# KiCad board mse-50-ce-panel.kicad_pcb (continued)
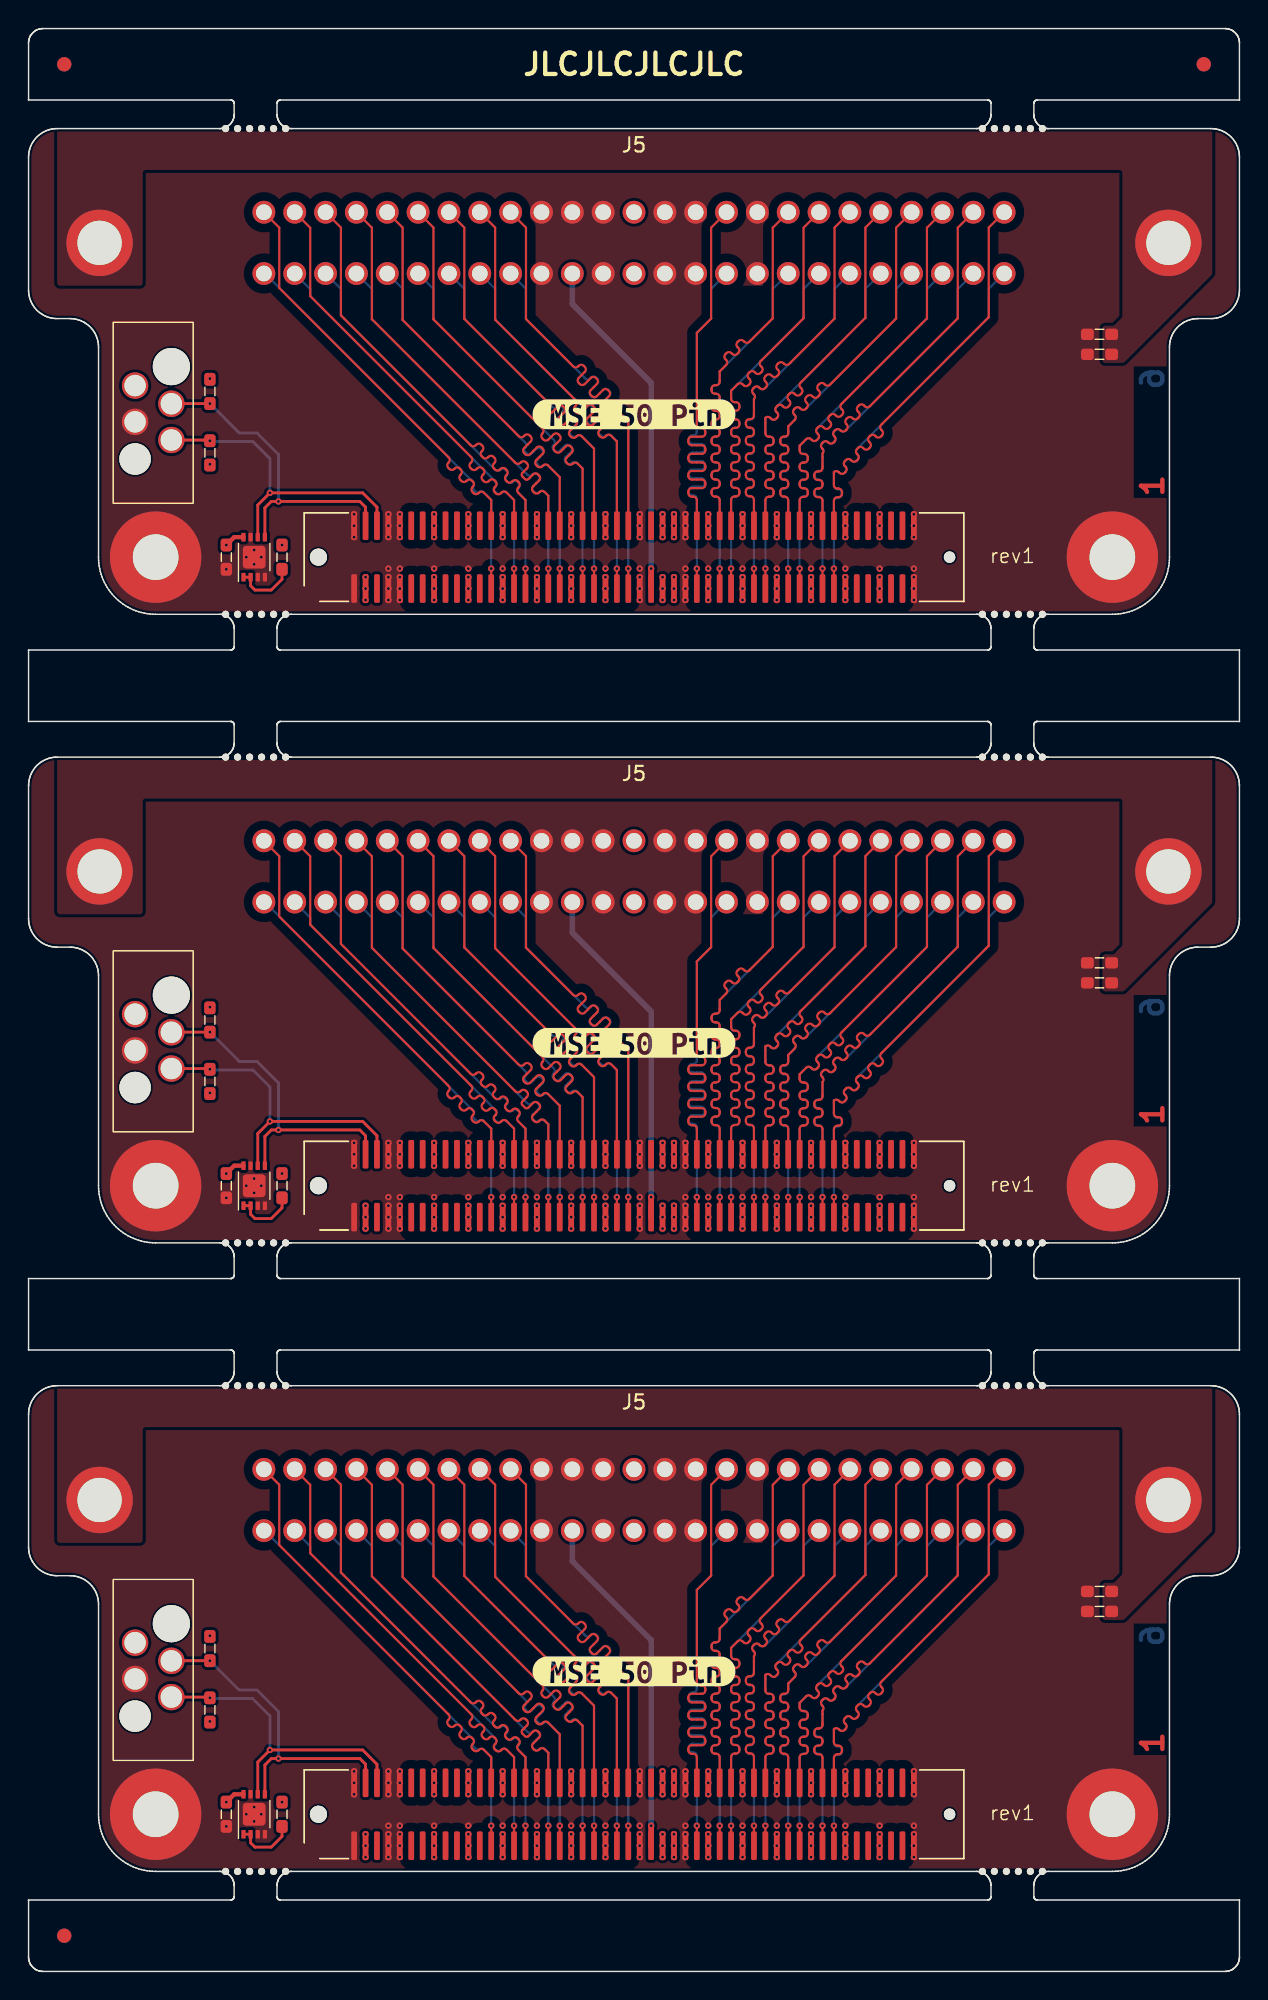
[diagram p0: board, top side]
## Routing (per net, layer and track width the routed paths; a pad name or vN(x,y) marks a point on that pad's centre or on a via; arc(x,y) is an arc through that point)
Board_0-+3V3: length 1.4
  Top w0.3: v1(13.85,99.85) 14.4,100.4 U1#3.8
  vias: v1(12.7,111.5) v1(12.7,105.5) v1(17.75,99.85) v1(23.6,97.6) v1(23.6,96.8) v1(23.6,96)
Board_0-/CON.ACK+: length 29.1
  Top w0.151: J1#2.67 v1(49.2,98.2)
  Bottom w0.151: J5#3.19 54.28,117.77 54.28,115.73 49.2,110.65 49.2,110.1 arc(49.27,109.93) 49.44,109.86 49.54,109.86 arc(49.71,109.79) 49.78,109.62 49.78,109.5 arc(49.71,109.33) 49.54,109.26 49.44,109.26 arc(49.27,109.19) 49.2,109.02 49.2,108.9 arc(49.27,108.73) 49.44,108.66 49.54,108.66 arc(49.71,108.59) 49.78,108.42 49.78,108.3 arc(49.71,108.13) 49.54,108.06 49.44,108.06 arc(49.27,107.99) 49.2,107.82 49.2,107.7 arc(49.27,107.53) 49.44,107.46 49.54,107.46 arc(49.71,107.39) 49.78,107.22 49.78,107.1 arc(49.71,106.93) 49.54,106.86 49.44,106.86 arc(49.27,106.79) 49.2,106.62 49.2,106.5 arc(49.27,106.33) 49.44,106.26 49.54,106.26 arc(49.71,106.19) 49.78,106.02 49.78,105.9 arc(49.71,105.73) 49.54,105.66 49.44,105.66 arc(49.27,105.59) 49.2,105.42 49.2,105.3 arc(49.27,105.13) 49.44,105.06 49.54,105.06 arc(49.71,104.99) 49.78,104.82 49.78,104.7 arc(49.71,104.53) 49.54,104.46 49.44,104.46 arc(49.27,104.39) 49.2,104.22 49.2,104.1 arc(49.27,103.93) 49.44,103.86 49.54,103.86 arc(49.71,103.79) 49.78,103.62 49.78,103.5 arc(49.71,103.33) 49.54,103.26 49.44,103.26 arc(49.27,103.19) 49.2,103.02 v1(49.2,98.2)
Board_0-/CON.ACK-: length 30.5
  Top w0.151: J5#3.44 54.28,122.06 54.28,115.73 51.27,112.72 arc(51.2,112.55) 51.27,112.38 51.34,112.31 arc(51.41,112.14) 51.34,111.97 51.26,111.89 arc(51.09,111.82) 50.92,111.89 50.85,111.96 arc(50.68,112.03) 50.51,111.96 50.42,111.87 arc(50.35,111.7) 50.42,111.53 50.49,111.46 arc(50.56,111.29) 50.49,111.12 50.41,111.04 arc(50.24,110.97) 50.07,111.04 50,111.11 arc(49.83,111.18) 49.66,111.11 49.2,110.65 49.2,110.09 arc(49.27,109.92) 49.44,109.85 49.54,109.85 arc(49.71,109.78) 49.78,109.61 49.78,109.49 arc(49.71,109.32) 49.54,109.25 49.44,109.25 arc(49.27,109.18) 49.2,109.01 49.2,108.89 arc(49.27,108.72) 49.44,108.65 49.54,108.65 arc(49.71,108.58) 49.78,108.41 49.78,108.29 arc(49.71,108.12) 49.54,108.05 49.44,108.05 arc(49.27,107.98) 49.2,107.81 49.2,107.69 arc(49.27,107.52) 49.44,107.45 49.54,107.45 arc(49.71,107.38) 49.78,107.21 49.78,107.09 arc(49.71,106.92) 49.54,106.85 49.44,106.85 arc(49.27,106.78) 49.2,106.61 49.2,106.49 arc(49.27,106.32) 49.44,106.25 49.54,106.25 arc(49.71,106.18) 49.78,106.01 49.78,105.89 arc(49.71,105.72) 49.54,105.65 49.44,105.65 arc(49.27,105.58) 49.2,105.41 49.2,105.29 arc(49.27,105.12) 49.44,105.05 49.54,105.05 arc(49.71,104.98) 49.78,104.81 49.78,104.69 arc(49.71,104.52) 49.54,104.45 49.44,104.45 arc(49.27,104.38) 49.2,104.21 49.2,104.09 arc(49.27,103.92) 49.44,103.85 49.54,103.85 arc(49.71,103.78) 49.78,103.61 49.78,103.49 arc(49.71,103.32) 49.54,103.25 49.44,103.25 arc(49.27,103.18) 49.2,103.01 J1#2.68
Board_0-/CON.ATN+: length 29.1
  Top w0.151: J1#2.61 v1(46.8,98.2)
  Bottom w0.151: J5#3.16 47.8,117.78 47.8,115.7 46.8,114.7 46.8,107.77 arc(46.73,107.6) 46.56,107.53 46.48,107.53 arc(46.31,107.46) 46.24,107.29 46.24,107.17 arc(46.31,107) 46.48,106.93 47.12,106.93 arc(47.29,106.86) 47.36,106.69 47.36,106.57 arc(47.29,106.4) 47.12,106.33 46.48,106.33 arc(46.31,106.26) 46.24,106.09 46.24,105.97 arc(46.31,105.8) 46.48,105.73 47.12,105.73 arc(47.29,105.66) 47.36,105.49 47.36,105.37 arc(47.29,105.2) 47.12,105.13 46.48,105.13 arc(46.31,105.06) 46.24,104.89 46.24,104.77 arc(46.31,104.6) 46.48,104.53 47.12,104.53 arc(47.29,104.46) 47.36,104.29 47.36,104.17 arc(47.29,104) 47.12,103.93 46.48,103.93 arc(46.31,103.86) 46.24,103.69 46.24,103.57 arc(46.31,103.4) 46.48,103.33 46.56,103.33 arc(46.73,103.26) 46.8,103.09 v1(46.8,98.2)
Board_0-/CON.ATN-: length 30.5
  Top w0.151: J1#2.62 46.8,102.99 arc(46.73,103.16) 46.56,103.23 46.44,103.23 arc(46.27,103.3) 46.2,103.47 46.2,103.59 arc(46.27,103.76) 46.44,103.83 47.16,103.83 arc(47.33,103.9) 47.4,104.07 47.4,104.19 arc(47.33,104.36) 47.16,104.43 46.44,104.43 arc(46.27,104.5) 46.2,104.67 46.2,104.79 arc(46.27,104.96) 46.44,105.03 47.16,105.03 arc(47.33,105.1) 47.4,105.27 47.4,105.39 arc(47.33,105.56) 47.16,105.63 46.44,105.63 arc(46.27,105.7) 46.2,105.87 46.2,105.99 arc(46.27,106.16) 46.44,106.23 47.16,106.23 arc(47.33,106.3) 47.4,106.47 47.4,106.59 arc(47.33,106.76) 47.16,106.83 46.44,106.83 arc(46.27,106.9) 46.2,107.07 46.2,107.19 arc(46.27,107.36) 46.44,107.43 47.16,107.43 arc(47.33,107.5) 47.4,107.67 47.4,107.79 arc(47.33,107.96) 47.16,108.03 47.04,108.03 arc(46.87,108.1) 46.8,108.27 46.8,114.7 47.8,115.7 47.8,122.07 J5#3.41
Board_0-/CON.BSY+: length 29.1
  Top w0.151: J1#2.65 v1(48.4,98.2)
  Bottom w0.151: v1(48.4,98.2) 48.4,103 arc(48.33,103.17) 48.16,103.24 48.07,103.24 arc(47.91,103.31) 47.83,103.48 47.83,103.6 arc(47.91,103.77) 48.07,103.84 48.16,103.84 arc(48.33,103.91) 48.4,104.08 48.4,104.2 arc(48.33,104.37) 48.16,104.44 48.07,104.44 arc(47.91,104.51) 47.83,104.68 47.83,104.8 arc(47.91,104.97) 48.07,105.04 48.16,105.04 arc(48.33,105.11) 48.4,105.28 48.4,105.4 arc(48.33,105.57) 48.16,105.64 48.07,105.64 arc(47.91,105.71) 47.83,105.88 47.83,106 arc(47.91,106.17) 48.07,106.24 48.16,106.24 arc(48.33,106.31) 48.4,106.48 48.4,106.6 arc(48.33,106.77) 48.16,106.84 48.07,106.84 arc(47.91,106.91) 47.83,107.08 47.83,107.2 arc(47.91,107.37) 48.07,107.44 48.16,107.44 arc(48.33,107.51) 48.4,107.68 48.4,107.8 arc(48.33,107.97) 48.16,108.04 48.07,108.04 arc(47.91,108.11) 47.83,108.28 47.83,108.4 arc(47.91,108.57) 48.07,108.64 48.16,108.64 arc(48.33,108.71) 48.4,108.88 48.4,109 arc(48.33,109.17) 48.16,109.24 48.07,109.24 arc(47.91,109.31) 47.83,109.48 47.83,109.6 arc(47.91,109.77) 48.07,109.84 48.16,109.84 arc(48.33,109.91) 48.4,110.08 48.4,110.2 arc(48.33,110.37) 48.16,110.44 48.07,110.44 arc(47.91,110.51) 47.83,110.68 47.83,110.8 arc(47.91,110.97) 48.07,111.04 48.16,111.04 arc(48.33,111.11) 48.4,111.28 48.4,112 52.11,115.71 52.11,117.77 J5#3.18
Board_0-/CON.BSY-: length 30.5
  Top w0.151: J5#3.43 52.12,122.06 52.12,115.72 50.47,114.07 arc(50.3,114) 50.13,114.07 50.07,114.14 arc(49.9,114.21) 49.73,114.14 49.64,114.05 arc(49.57,113.88) 49.64,113.71 49.71,113.65 arc(49.78,113.48) 49.71,113.31 49.62,113.23 arc(49.45,113.15) 49.28,113.23 49.22,113.29 arc(49.05,113.36) 48.88,113.29 48.8,113.2 arc(48.73,113.03) 48.8,112.86 48.86,112.8 arc(48.93,112.63) 48.86,112.46 48.4,112 48.4,111.28 arc(48.33,111.11) 48.16,111.04 48.07,111.04 arc(47.9,110.97) 47.83,110.8 47.83,110.68 arc(47.9,110.51) 48.07,110.44 48.16,110.44 arc(48.33,110.37) 48.4,110.2 48.4,110.08 arc(48.33,109.91) 48.16,109.84 48.07,109.84 arc(47.9,109.77) 47.83,109.6 47.83,109.48 arc(47.9,109.31) 48.07,109.24 48.16,109.24 arc(48.33,109.17) 48.4,109 48.4,108.88 arc(48.33,108.71) 48.16,108.64 48.07,108.64 arc(47.9,108.57) 47.83,108.4 47.83,108.28 arc(47.9,108.11) 48.07,108.04 48.16,108.04 arc(48.33,107.97) 48.4,107.8 48.4,107.68 arc(48.33,107.51) 48.16,107.44 48.07,107.44 arc(47.9,107.37) 47.83,107.2 47.83,107.08 arc(47.9,106.91) 48.07,106.84 48.16,106.84 arc(48.33,106.77) 48.4,106.6 48.4,106.48 arc(48.33,106.31) 48.16,106.24 48.07,106.24 arc(47.9,106.17) 47.83,106 47.83,105.88 arc(47.9,105.71) 48.07,105.64 48.16,105.64 arc(48.33,105.57) 48.4,105.4 48.4,105.28 arc(48.33,105.11) 48.16,105.04 48.07,105.04 arc(47.9,104.97) 47.83,104.8 47.83,104.68 arc(47.9,104.51) 48.07,104.44 48.16,104.44 arc(48.33,104.37) 48.4,104.2 48.4,104.08 arc(48.33,103.91) 48.16,103.84 48.07,103.84 arc(47.9,103.77) 47.83,103.6 47.83,103.48 arc(47.9,103.31) 48.07,103.24 48.16,103.24 arc(48.33,103.17) 48.4,103 J1#2.66
Board_0-/CON.C/D+: length 29.1
  Top w0.151: J1#2.79 v1(54,98.2)
  Bottom w0.151: v1(54,98.2) 54,103 arc(54.07,103.17) 54.24,103.24 54.33,103.24 arc(54.49,103.31) 54.57,103.48 54.57,103.6 arc(54.49,103.77) 54.33,103.84 54.24,103.84 arc(54.07,103.91) 54,104.08 54,104.2 arc(54.07,104.37) 54.24,104.44 54.33,104.44 arc(54.49,104.51) 54.57,104.68 54.57,104.8 arc(54.49,104.97) 54.33,105.04 54.24,105.04 arc(54.07,105.11) 54,105.28 54,105.4 arc(54.07,105.57) 54.24,105.64 54.33,105.64 arc(54.49,105.71) 54.57,105.88 54.57,106 arc(54.49,106.17) 54.33,106.24 54.24,106.24 arc(54.07,106.31) 54,106.48 54,106.8 54.46,107.26 arc(54.63,107.33) 54.8,107.26 54.86,107.2 arc(55.03,107.13) 55.2,107.2 55.28,107.29 arc(55.35,107.46) 55.28,107.63 55.22,107.69 arc(55.15,107.86) 55.22,108.03 55.31,108.11 62.93,115.73 62.93,117.78 J5#3.23
Board_0-/CON.C/D-: length 30.5
  Top w0.151: J5#3.48 62.92,122.06 62.92,115.72 57.01,109.81 56.92,109.72 arc(56.85,109.55) 56.92,109.38 56.99,109.32 arc(57.06,109.15) 56.99,108.98 56.9,108.89 arc(56.73,108.82) 56.56,108.89 56.5,108.96 arc(56.33,109.03) 56.16,108.96 56.07,108.87 arc(56,108.7) 56.07,108.53 56.14,108.47 arc(56.21,108.3) 56.14,108.13 56.05,108.04 arc(55.88,107.97) 55.71,108.04 55.65,108.11 arc(55.48,108.18) 55.31,108.11 55.22,108.03 arc(55.15,107.86) 55.22,107.69 55.29,107.62 arc(55.36,107.45) 55.29,107.28 55.2,107.2 arc(55.03,107.13) 54.86,107.2 54.8,107.26 arc(54.63,107.33) 54.46,107.26 54,106.8 54,106.46 arc(54.07,106.29) 54.24,106.22 54.33,106.22 arc(54.5,106.15) 54.57,105.98 54.57,105.86 arc(54.5,105.69) 54.33,105.62 54.24,105.62 arc(54.07,105.55) 54,105.38 54,105.26 arc(54.07,105.09) 54.24,105.02 54.33,105.02 arc(54.5,104.95) 54.57,104.78 54.57,104.66 arc(54.5,104.49) 54.33,104.42 54.24,104.42 arc(54.07,104.35) 54,104.18 54,104.06 arc(54.07,103.89) 54.24,103.82 54.33,103.82 arc(54.5,103.75) 54.57,103.58 54.57,103.46 arc(54.5,103.29) 54.33,103.22 54.24,103.22 arc(54.07,103.15) 54,102.98 J1#2.80
Board_0-/CON.DB0+: length 29.1
  Top w0.151: J1#2.25 v1(32.4,98.2)
  Bottom w0.151: v1(32.4,98.2) 32.4,103 31.83,103.57 arc(31.71,103.62) 31.58,103.57 arc(31.46,103.52) 31.34,103.57 31.16,103.75 arc(31.11,103.87) 31.16,103.99 arc(31.21,104.12) 31.16,104.24 16.55,118.86 J5#3.1
Board_0-/CON.DB0-: length 30.5
  Top w0.151: J5#3.26 17.56,122.07 17.56,117.85 29.43,105.98 arc(29.5,105.81) 29.43,105.64 29.39,105.6 arc(29.32,105.43) 29.39,105.26 29.47,105.18 arc(29.64,105.11) 29.81,105.18 29.85,105.21 arc(30.02,105.28) 30.19,105.21 30.27,105.13 arc(30.34,104.96) 30.27,104.79 30.24,104.75 arc(30.17,104.58) 30.24,104.41 30.32,104.33 arc(30.49,104.26) 30.66,104.33 30.7,104.36 arc(30.87,104.43) 31.04,104.36 31.12,104.28 arc(31.19,104.11) 31.12,103.94 31.09,103.9 arc(31.02,103.73) 31.09,103.56 31.17,103.48 arc(31.34,103.41) 31.51,103.48 31.55,103.52 arc(31.72,103.59) 31.89,103.52 32.4,103 J1#2.26
Board_0-/CON.DB1+: length 29.1
  Top w0.151: J1#2.29 v1(34,98.2)
  Bottom w0.151: J5#3.2 19.73,117.77 19.73,117.28 32.71,104.29 arc(32.78,104.12) 32.71,103.95 32.67,103.92 arc(32.6,103.75) 32.67,103.58 32.76,103.49 arc(32.93,103.42) 33.1,103.49 33.13,103.53 arc(33.3,103.6) 33.47,103.53 34,103 v1(34,98.2)
Board_0-/CON.DB1-: length 30.5
  Top w0.151: J5#3.27 19.72,122.06 19.72,117.28 31.01,105.99 arc(31.08,105.82) 31.01,105.65 30.95,105.59 arc(30.88,105.42) 30.95,105.25 31.03,105.16 arc(31.2,105.09) 31.37,105.16 31.43,105.23 arc(31.6,105.3) 31.77,105.23 31.86,105.14 arc(31.93,104.97) 31.86,104.8 31.8,104.74 arc(31.73,104.57) 31.8,104.4 31.88,104.32 arc(32.05,104.25) 32.22,104.32 32.28,104.38 arc(32.45,104.45) 32.62,104.38 32.71,104.29 arc(32.78,104.13) 32.71,103.96 32.64,103.89 arc(32.57,103.72) 32.64,103.55 32.73,103.47 arc(32.9,103.4) 33.07,103.47 33.13,103.53 arc(33.3,103.6) 33.47,103.53 34,103 J1#2.30
Board_0-/CON.DB2+: length 29.1
  Top w0.151: J1#2.31 v1(34.8,98.2)
  Bottom w0.151: J5#3.3 21.88,117.78 21.88,115.93 32.7,105.1 arc(32.87,105.03) 33.04,105.1 33.06,105.13 arc(33.23,105.2) 33.4,105.13 33.48,105.04 arc(33.55,104.87) 33.48,104.7 33.46,104.68 arc(33.39,104.51) 33.46,104.34 33.55,104.26 arc(33.72,104.19) 33.89,104.26 33.91,104.28 arc(34.08,104.35) 34.25,104.28 34.33,104.19 arc(34.4,104.02) 34.33,103.85 34.31,103.83 arc(34.24,103.66) 34.31,103.49 34.8,103 v1(34.8,98.2)
Board_0-/CON.DB2-: length 30.5
  Top w0.151: J1#2.32 34.8,103 34.28,103.52 arc(34.21,103.69) 34.28,103.86 34.33,103.91 arc(34.4,104.08) 34.33,104.25 34.25,104.33 arc(34.08,104.4) 33.91,104.33 33.86,104.28 arc(33.69,104.21) 33.52,104.28 33.43,104.37 arc(33.36,104.54) 33.43,104.71 33.48,104.76 arc(33.55,104.93) 33.48,105.1 33.4,105.18 arc(33.23,105.25) 33.06,105.18 33.01,105.13 arc(32.84,105.06) 32.67,105.13 32.58,105.22 arc(32.51,105.39) 32.58,105.56 32.63,105.61 arc(32.7,105.78) 32.63,105.95 32.55,106.03 arc(32.38,106.1) 32.21,106.03 32.16,105.98 arc(31.99,105.91) 31.82,105.98 31.74,106.07 arc(31.67,106.24) 31.74,106.41 31.78,106.45 arc(31.86,106.62) 31.78,106.79 31.7,106.88 arc(31.53,106.95) 31.36,106.88 31.31,106.83 arc(31.14,106.76) 30.97,106.83 21.88,115.93 21.88,122.07 J5#3.28
Board_0-/CON.DB3+: length 29.1
  Top w0.151: J1#2.35 v1(36.4,98.2)
  Bottom w0.151: v1(36.4,98.2) 36.4,103.3 36.12,103.58 arc(35.95,103.66) 35.78,103.58 35.75,103.56 arc(35.58,103.49) 35.41,103.56 35.33,103.64 arc(35.26,103.81) 35.33,103.98 35.72,104.37 arc(35.79,104.54) 35.72,104.71 35.63,104.8 arc(35.46,104.87) 35.29,104.8 35.27,104.77 arc(35.1,104.7) 34.93,104.77 34.84,104.86 24.05,115.65 24.05,117.77 J5#3.4
Board_0-/CON.DB3-: length 30.5
  Top w0.151: J1#2.36 36.4,103.3 36.14,103.57 arc(35.97,103.64) 35.8,103.57 35.75,103.52 arc(35.58,103.45) 35.41,103.52 35.33,103.6 arc(35.26,103.77) 35.33,103.94 35.76,104.38 arc(35.83,104.55) 35.76,104.72 35.67,104.8 arc(35.51,104.87) 35.34,104.8 35,104.47 arc(34.88,104.42) 34.77,104.47 34.58,104.66 arc(34.53,104.77) 34.58,104.89 34.91,105.22 arc(34.98,105.39) 34.91,105.56 34.83,105.65 arc(34.66,105.72) 34.49,105.65 34.44,105.6 arc(34.27,105.53) 34.1,105.6 24.04,115.66 24.04,122.06 J5#3.29
Board_0-/CON.DB4+: length 29.1
  Top w0.151: J1#2.37 v1(37.2,98.2)
  Bottom w0.151: v1(37.2,98.2) 37.2,104.6 36.4,105.4 arc(36.24,105.47) 36.07,105.4 arc(35.91,105.33) 35.74,105.4 35.64,105.49 arc(35.58,105.66) 35.64,105.83 35.98,106.16 arc(36.05,106.32) 35.98,106.49 35.88,106.58 arc(35.72,106.65) 35.55,106.58 35.22,106.25 arc(35.05,106.18) 34.89,106.25 34.8,106.34 arc(34.73,106.51) 34.8,106.67 arc(34.86,106.84) 34.8,107.01 26.2,115.6 26.2,117.78 J5#3.5
Board_0-/CON.DB4-: length 30.5
  Top w0.151: J5#3.30 26.2,122.07 26.2,115.61 34.34,107.46 arc(34.51,107.39) 34.68,107.46 34.74,107.53 arc(34.91,107.6) 35.08,107.53 35.17,107.44 arc(35.24,107.27) 35.17,107.1 34.7,106.63 arc(34.63,106.46) 34.7,106.29 34.78,106.21 arc(34.95,106.14) 35.12,106.21 35.59,106.68 arc(35.76,106.75) 35.93,106.68 36.02,106.59 arc(36.09,106.42) 36.02,106.25 35.55,105.79 arc(35.48,105.62) 35.55,105.45 35.63,105.36 arc(35.8,105.29) 35.97,105.36 36.04,105.43 arc(36.21,105.5) 36.38,105.43 37.2,104.6 J1#2.38
Board_0-/CON.DB5+: length 29.1
  Top w0.151: J1#2.41 v1(38.8,98.2)
  Bottom w0.151: v1(38.8,98.2) 38.8,105.2 38.4,105.6 arc(38.23,105.67) 38.06,105.6 38.04,105.58 arc(37.87,105.51) 37.7,105.58 37.62,105.66 arc(37.54,105.83) 37.62,106 38,106.39 arc(38.07,106.56) 38,106.73 37.91,106.81 arc(37.74,106.88) 37.57,106.81 37.19,106.43 arc(37.02,106.36) 36.85,106.43 36.77,106.51 arc(36.7,106.68) 36.77,106.85 36.79,106.87 arc(36.86,107.04) 36.79,107.21 28.35,115.65 28.35,117.79 J5#3.6
Board_0-/CON.DB5-: length 30.5
  Top w0.151: J5#3.31 28.36,122.07 28.36,115.65 35.99,108.01 arc(36.06,107.84) 35.99,107.67 35.98,107.66 arc(35.91,107.49) 35.98,107.32 36.06,107.23 arc(36.23,107.16) 36.4,107.23 36.77,107.6 arc(36.94,107.67) 37.11,107.6 37.2,107.52 arc(37.27,107.35) 37.2,107.18 36.83,106.81 arc(36.76,106.64) 36.83,106.47 36.91,106.38 arc(37.08,106.31) 37.25,106.38 37.62,106.75 arc(37.79,106.82) 37.96,106.75 38.04,106.67 arc(38.11,106.5) 38.04,106.33 37.67,105.96 arc(37.6,105.79) 37.67,105.62 37.76,105.53 arc(37.93,105.46) 38.1,105.53 38.11,105.55 arc(38.28,105.62) 38.45,105.55 38.8,105.2 J1#2.42
Board_0-/CON.DB6+: length 29.1
  Top w0.151: J1#2.43 v1(39.6,98.2)
  Bottom w0.151: v1(39.6,98.2) 39.6,106.6 38.72,107.48 arc(38.55,107.55) 38.38,107.48 arc(38.21,107.41) 38.04,107.48 37.96,107.57 arc(37.89,107.74) 37.96,107.91 38.3,108.25 arc(38.37,108.41) 38.3,108.58 38.21,108.67 arc(38.04,108.74) 37.87,108.67 37.53,108.33 arc(37.36,108.26) 37.19,108.33 37.11,108.42 arc(37.04,108.59) 37.11,108.75 37.45,109.09 arc(37.52,109.26) 37.45,109.43 37.36,109.52 arc(37.19,109.59) 37.02,109.52 arc(36.85,109.45) 36.68,109.52 30.53,115.68 30.53,117.77 J5#3.7
Board_0-/CON.DB6-: length 30.5
  Top w0.151: J5#3.32 30.52,122.07 30.52,115.69 36.18,110.02 36.27,109.93 arc(36.34,109.76) 36.27,109.59 36.21,109.54 arc(36.14,109.37) 36.21,109.2 36.3,109.12 arc(36.47,109.04) 36.64,109.12 37.09,109.56 arc(37.26,109.63) 37.43,109.56 37.51,109.48 arc(37.58,109.31) 37.51,109.14 37.06,108.69 arc(36.99,108.52) 37.06,108.35 37.15,108.27 arc(37.32,108.2) 37.49,108.27 37.94,108.72 arc(38.11,108.79) 38.27,108.72 38.36,108.63 arc(38.43,108.46) 38.36,108.29 37.91,107.84 arc(37.84,107.67) 37.91,107.5 38,107.42 arc(38.17,107.35) 38.34,107.42 38.39,107.47 arc(38.56,107.54) 38.73,107.47 39.6,106.6 J1#2.44
Board_0-/CON.DB7+: length 29.1
  Top w0.151: J1#2.47 v1(41.2,98.2)
  Bottom w0.151: J5#3.8 32.68,117.78 32.68,115.63 38.66,109.64 38.75,109.55 arc(38.92,109.48) 39.09,109.55 39.11,109.57 arc(39.28,109.64) 39.45,109.57 39.53,109.49 arc(39.6,109.32) 39.53,109.15 39.15,108.77 arc(39.08,108.6) 39.15,108.43 39.24,108.35 arc(39.41,108.28) 39.58,108.35 39.96,108.73 arc(40.13,108.8) 40.3,108.73 40.38,108.64 arc(40.45,108.47) 40.38,108.3 40,107.92 arc(39.93,107.75) 40,107.58 40.09,107.5 arc(40.26,107.43) 40.43,107.5 40.45,107.52 arc(40.61,107.59) 40.78,107.52 41.2,107.1 v1(41.2,98.2)
Board_0-/CON.DB7-: length 30.5
  Top w0.151: J1#2.48 41.2,107.1 40.8,107.51 arc(40.63,107.58) 40.46,107.51 40.39,107.43 arc(40.22,107.36) 40.05,107.43 39.96,107.52 arc(39.89,107.69) 39.96,107.86 40.44,108.34 arc(40.51,108.51) 40.44,108.68 40.36,108.76 arc(40.19,108.83) 40.02,108.76 39.54,108.28 arc(39.37,108.21) 39.2,108.28 39.11,108.37 arc(39.04,108.54) 39.11,108.71 39.59,109.19 arc(39.67,109.36) 39.59,109.53 39.51,109.61 arc(39.34,109.68) 39.17,109.61 38.69,109.13 arc(38.52,109.06) 38.35,109.13 38.26,109.22 arc(38.19,109.39) 38.26,109.56 38.34,109.63 arc(38.41,109.8) 38.34,109.97 32.68,115.63 32.68,122.07 J5#3.33
Board_0-/CON.DIFFSENSE: length 24.3
  Top w0.4: J1#2.53 v1(43.6,98.2)
  Bottom w0.4: J5#3.11 38.08,116.72 43.6,111.2 v1(43.6,98.2)
Board_0-/CON.DP0+: length 29.1
  Top w0.151: J1#2.49 v1(42,98.2)
  Bottom w0.151: v1(42,98.2) 42,108.5 41.03,109.47 arc(40.86,109.54) 40.69,109.47 40.62,109.4 arc(40.45,109.33) 40.28,109.4 40.2,109.49 arc(40.13,109.65) 40.2,109.82 40.68,110.3 arc(40.75,110.47) 40.68,110.64 40.59,110.73 arc(40.42,110.8) 40.25,110.73 39.77,110.25 arc(39.6,110.18) 39.43,110.25 39.35,110.33 arc(39.28,110.5) 39.35,110.67 39.83,111.15 arc(39.9,111.32) 39.83,111.49 39.74,111.58 arc(39.57,111.65) 39.4,111.58 39.33,111.51 arc(39.17,111.44) 39,111.51 34.83,115.68 34.83,117.79 J5#3.9
Board_0-/CON.DP0-: length 30.5
  Top w0.151: J1#2.50 42,108.5 41.03,109.47 arc(40.86,109.54) 40.69,109.47 40.65,109.42 arc(40.48,109.35) 40.31,109.42 40.22,109.51 arc(40.15,109.68) 40.22,109.85 40.66,110.28 arc(40.73,110.45) 40.66,110.62 40.57,110.7 arc(40.4,110.78) 40.23,110.7 39.8,110.27 arc(39.63,110.2) 39.46,110.27 39.37,110.35 arc(39.3,110.52) 39.37,110.69 39.81,111.13 arc(39.88,111.3) 39.81,111.47 39.72,111.55 arc(39.55,111.62) 39.38,111.55 38.95,111.12 arc(38.78,111.05) 38.61,111.12 38.52,111.2 arc(38.45,111.37) 38.52,111.54 38.96,111.98 arc(39.03,112.15) 38.96,112.32 38.87,112.4 arc(38.71,112.47) 38.54,112.4 38.49,112.35 arc(38.32,112.28) 38.15,112.35 34.84,115.67 34.84,122.07 J5#3.34
Board_0-/CON.I/O+: length 29.1
  Top w0.151: J1#2.85 v1(56.4,98.2)
  Bottom w0.151: v1(56.4,98.2) 56.4,102.91 arc(56.47,103.08) 56.64,103.15 56.71,103.15 arc(56.88,103.23) 56.95,103.39 56.95,103.51 arc(56.88,103.68) 56.71,103.75 56.64,103.75 arc(56.47,103.83) 56.4,103.99 56.4,104.95 arc(56.57,105.02) 56.74,104.95 56.79,104.9 arc(56.96,104.83) 57.13,104.9 57.21,104.99 arc(57.29,105.16) 57.21,105.33 57.16,105.38 arc(57.09,105.55) 57.16,105.72 57.25,105.8 arc(57.42,105.87) 57.59,105.8 57.64,105.75 arc(57.81,105.68) 57.98,105.75 58.06,105.83 arc(58.13,106) 58.06,106.17 58.01,106.22 arc(57.94,106.39) 58.01,106.56 58.1,106.65 67.25,115.8 67.25,117.79 J5#3.25
Board_0-/CON.I/O-: length 30.5
  Top w0.151: J1#2.86 56.4,102.96 arc(56.47,103.13) 56.64,103.2 56.73,103.2 arc(56.9,103.27) 56.97,103.44 56.97,103.56 arc(56.9,103.73) 56.73,103.8 56.64,103.8 arc(56.47,103.87) 56.4,104.04 56.4,104.96 arc(56.57,105.03) 56.74,104.96 56.8,104.9 arc(56.97,104.83) 57.14,104.9 57.22,104.98 arc(57.3,105.15) 57.22,105.32 57.16,105.38 arc(57.09,105.55) 57.16,105.72 57.25,105.81 arc(57.42,105.88) 57.59,105.81 57.65,105.74 arc(57.82,105.67) 57.99,105.74 58.07,105.83 arc(58.14,106) 58.07,106.17 58.01,106.23 arc(57.94,106.4) 58.01,106.57 58.1,106.65 arc(58.27,106.73) 58.44,106.65 58.5,106.59 arc(58.67,106.52) 58.84,106.59 58.92,106.68 arc(58.99,106.85) 58.92,107.02 58.86,107.08 arc(58.79,107.25) 58.86,107.42 58.95,107.5 arc(59.12,107.57) 59.28,107.5 59.35,107.44 arc(59.52,107.37) 59.69,107.44 59.77,107.53 arc(59.84,107.7) 59.77,107.87 59.71,107.93 arc(59.64,108.1) 59.71,108.27 59.79,108.35 67.24,115.8 67.24,122.07 J5#3.50
Board_0-/CON.MSG+: length 29.1
  Top w0.151: J1#2.73 v1(51.6,98.2)
  Bottom w0.151: v1(51.6,98.2) 51.6,102.99 arc(51.67,103.16) 51.84,103.23 51.93,103.23 arc(52.1,103.3) 52.17,103.47 52.17,103.59 arc(52.1,103.76) 51.93,103.83 51.84,103.83 arc(51.67,103.9) 51.6,104.07 51.6,104.19 arc(51.67,104.36) 51.84,104.43 51.93,104.43 arc(52.1,104.5) 52.17,104.67 52.17,104.79 arc(52.1,104.96) 51.93,105.03 51.84,105.03 arc(51.67,105.1) 51.6,105.27 51.6,105.39 arc(51.67,105.56) 51.84,105.63 51.93,105.63 arc(52.1,105.7) 52.17,105.87 52.17,105.99 arc(52.1,106.16) 51.93,106.23 51.84,106.23 arc(51.67,106.3) 51.6,106.47 51.6,106.59 arc(51.67,106.76) 51.84,106.83 51.93,106.83 arc(52.1,106.9) 52.17,107.07 52.17,107.19 arc(52.1,107.36) 51.93,107.43 51.84,107.43 arc(51.67,107.5) 51.6,107.67 51.6,108.75 arc(51.77,108.82) 51.94,108.75 52,108.69 arc(52.17,108.62) 52.34,108.69 52.43,108.77 arc(52.5,108.94) 52.43,109.11 52.36,109.18 arc(52.29,109.35) 52.36,109.52 52.45,109.6 58.6,115.75 58.6,117.78 J5#3.21
Board_0-/CON.MSG-: length 30.5
  Top w0.151: J1#2.74 51.6,102.99 arc(51.67,103.16) 51.84,103.23 51.94,103.23 arc(52.11,103.3) 52.18,103.47 52.18,103.59 arc(52.11,103.76) 51.94,103.83 51.84,103.83 arc(51.67,103.9) 51.6,104.07 51.6,104.19 arc(51.67,104.36) 51.84,104.43 51.94,104.43 arc(52.11,104.5) 52.18,104.67 52.18,104.79 arc(52.11,104.96) 51.94,105.03 51.84,105.03 arc(51.67,105.1) 51.6,105.27 51.6,105.39 arc(51.67,105.56) 51.84,105.63 51.94,105.63 arc(52.11,105.7) 52.18,105.87 52.18,105.99 arc(52.11,106.16) 51.94,106.23 51.84,106.23 arc(51.67,106.3) 51.6,106.47 51.6,106.59 arc(51.67,106.76) 51.84,106.83 51.94,106.83 arc(52.11,106.9) 52.18,107.07 52.18,107.19 arc(52.11,107.36) 51.94,107.43 51.84,107.43 arc(51.67,107.5) 51.6,107.67 51.6,108.75 arc(51.77,108.82) 51.94,108.75 52.01,108.68 arc(52.18,108.61) 52.35,108.68 52.43,108.77 arc(52.5,108.94) 52.43,109.11 52.36,109.18 arc(52.29,109.35) 52.36,109.52 52.45,109.6 arc(52.62,109.67) 52.79,109.6 52.86,109.53 arc(53.03,109.46) 53.2,109.53 53.28,109.62 arc(53.35,109.79) 53.28,109.96 53.21,110.02 arc(53.14,110.19) 53.21,110.36 53.3,110.45 arc(53.47,110.52) 53.64,110.45 53.71,110.38 arc(53.87,110.31) 54.04,110.38 54.13,110.47 arc(54.2,110.63) 54.13,110.8 54.06,110.87 arc(53.99,111.04) 54.06,111.21 54.15,111.3 58.6,115.76 58.6,122.07 J5#3.46
Board_0-/CON.REQ+: length 29.1
  Top w0.151: J1#2.83 v1(55.6,98.2)
  Bottom w0.151: J5#3.24 65.08,117.77 65.08,115.73 57.3,107.95 57.21,107.86 arc(57.04,107.79) 56.87,107.86 56.83,107.9 arc(56.66,107.97) 56.49,107.9 56.41,107.82 arc(56.34,107.65) 56.41,107.48 56.45,107.44 arc(56.52,107.27) 56.45,107.1 56.36,107.02 arc(56.19,106.95) 56.02,107.02 55.98,107.06 arc(55.81,107.13) 55.65,107.06 55.56,106.97 arc(55.49,106.8) 55.56,106.63 55.6,106.59 arc(55.67,106.42) 55.6,106.25 55.6,105.28 arc(55.53,105.11) 55.36,105.04 55.3,105.04 arc(55.13,104.96) 55.06,104.8 55.06,104.68 arc(55.13,104.51) 55.3,104.44 55.36,104.44 arc(55.53,104.36) 55.6,104.2 55.6,104.08 arc(55.53,103.91) 55.36,103.84 55.3,103.84 arc(55.13,103.76) 55.06,103.6 55.06,103.48 arc(55.13,103.31) 55.3,103.24 55.36,103.24 arc(55.53,103.16) 55.6,103 v1(55.6,98.2)
Board_0-/CON.REQ-: length 30.5
  Top w0.151: J1#2.84 55.6,102.96 arc(55.53,103.13) 55.36,103.2 55.26,103.2 arc(55.09,103.27) 55.02,103.44 55.02,103.56 arc(55.09,103.73) 55.26,103.8 55.36,103.8 arc(55.53,103.87) 55.6,104.04 55.6,104.16 arc(55.53,104.33) 55.36,104.4 55.26,104.4 arc(55.09,104.47) 55.02,104.64 55.02,104.76 arc(55.09,104.93) 55.26,105 55.36,105 arc(55.53,105.07) 55.6,105.24 55.6,106.25 arc(55.67,106.42) 55.6,106.59 55.57,106.63 arc(55.5,106.8) 55.57,106.97 55.65,107.05 arc(55.82,107.12) 55.99,107.05 56.02,107.02 arc(56.19,106.95) 56.36,107.02 56.45,107.1 arc(56.52,107.27) 56.45,107.44 56.41,107.47 arc(56.34,107.64) 56.41,107.81 56.5,107.9 arc(56.67,107.97) 56.84,107.9 56.87,107.86 arc(57.04,107.79) 57.21,107.86 57.3,107.95 arc(57.37,108.12) 57.3,108.29 57.26,108.32 arc(57.19,108.49) 57.26,108.66 57.35,108.75 arc(57.52,108.82) 57.69,108.75 57.72,108.71 arc(57.89,108.64) 58.06,108.71 58.15,108.8 arc(58.22,108.97) 58.15,109.14 58.08,109.21 arc(58.01,109.38) 58.08,109.55 58.16,109.63 arc(58.33,109.7) 58.5,109.63 58.57,109.56 arc(58.74,109.49) 58.91,109.56 58.99,109.65 65.08,115.73 65.08,122.06 J5#3.49
Board_0-/CON.RST+: length 29.1
  Top w0.151: J1#2.71 v1(50.8,98.2)
  Bottom w0.151: v1(50.8,98.2) 50.8,103 arc(50.73,103.17) 50.56,103.24 50.48,103.24 arc(50.31,103.31) 50.24,103.48 50.24,103.6 arc(50.31,103.77) 50.48,103.84 50.56,103.84 arc(50.73,103.91) 50.8,104.08 50.8,104.2 arc(50.73,104.37) 50.56,104.44 50.48,104.44 arc(50.31,104.51) 50.24,104.68 50.24,104.8 arc(50.31,104.97) 50.48,105.04 50.56,105.04 arc(50.73,105.11) 50.8,105.28 50.8,105.4 arc(50.73,105.57) 50.56,105.64 50.48,105.64 arc(50.31,105.71) 50.24,105.88 50.24,106 arc(50.31,106.17) 50.48,106.24 50.56,106.24 arc(50.73,106.31) 50.8,106.48 50.8,106.6 arc(50.73,106.77) 50.56,106.84 50.48,106.84 arc(50.31,106.91) 50.24,107.08 50.24,107.2 arc(50.31,107.37) 50.48,107.44 50.56,107.44 arc(50.73,107.51) 50.8,107.68 50.8,107.8 arc(50.73,107.97) 50.56,108.04 50.48,108.04 arc(50.31,108.11) 50.24,108.28 50.24,108.4 arc(50.31,108.57) 50.48,108.64 50.56,108.64 arc(50.73,108.71) 50.8,108.88 50.8,110.05 arc(50.87,110.22) 50.8,110.39 50.74,110.45 arc(50.67,110.62) 50.74,110.79 50.83,110.87 arc(51,110.94) 51.17,110.87 51.22,110.82 arc(51.39,110.75) 51.56,110.82 56.45,115.7 56.45,117.79 J5#3.20
Board_0-/CON.RST-: length 30.5
  Top w0.151: J5#3.45 56.44,122.07 56.44,115.71 53.26,112.52 arc(53.09,112.45) 52.92,112.52 52.86,112.58 arc(52.69,112.66) 52.52,112.58 52.44,112.5 arc(52.37,112.33) 52.44,112.16 52.5,112.1 arc(52.57,111.93) 52.5,111.76 52.41,111.68 arc(52.24,111.61) 52.07,111.68 52.01,111.74 arc(51.84,111.81) 51.67,111.74 51.59,111.65 arc(51.52,111.48) 51.59,111.31 51.65,111.25 arc(51.72,111.08) 51.65,110.91 51.56,110.83 arc(51.39,110.76) 51.22,110.83 51.16,110.89 arc(50.99,110.96) 50.82,110.89 50.74,110.8 arc(50.67,110.63) 50.74,110.46 50.8,110.4 arc(50.87,110.23) 50.8,110.06 50.8,108.91 arc(50.73,108.74) 50.56,108.67 50.47,108.67 arc(50.3,108.6) 50.23,108.43 50.23,108.31 arc(50.3,108.14) 50.47,108.07 50.56,108.07 arc(50.73,108) 50.8,107.83 50.8,107.71 arc(50.73,107.54) 50.56,107.47 50.47,107.47 arc(50.3,107.4) 50.23,107.23 50.23,107.11 arc(50.3,106.94) 50.47,106.87 50.56,106.87 arc(50.73,106.8) 50.8,106.63 50.8,106.51 arc(50.73,106.34) 50.56,106.27 50.47,106.27 arc(50.3,106.2) 50.23,106.03 50.23,105.91 arc(50.3,105.74) 50.47,105.67 50.56,105.67 arc(50.73,105.6) 50.8,105.43 50.8,105.31 arc(50.73,105.14) 50.56,105.07 50.47,105.07 arc(50.3,105) 50.23,104.83 50.23,104.71 arc(50.3,104.54) 50.47,104.47 50.56,104.47 arc(50.73,104.4) 50.8,104.23 50.8,104.11 arc(50.73,103.94) 50.56,103.87 50.47,103.87 arc(50.3,103.8) 50.23,103.63 50.23,103.51 arc(50.3,103.34) 50.47,103.27 50.56,103.27 arc(50.73,103.2) 50.8,103.03 J1#2.72
Board_0-/CON.SEL+: length 29.1
  Top w0.151: J1#2.77 v1(53.2,98.2)
  Bottom w0.151: v1(53.2,98.2) 53.2,102.97 arc(53.13,103.14) 52.96,103.21 52.89,103.21 arc(52.72,103.28) 52.65,103.45 52.65,103.57 arc(52.72,103.74) 52.89,103.81 52.96,103.81 arc(53.13,103.88) 53.2,104.05 53.2,104.17 arc(53.13,104.34) 52.96,104.41 52.89,104.41 arc(52.72,104.48) 52.65,104.65 52.65,104.77 arc(52.72,104.94) 52.89,105.01 52.96,105.01 arc(53.13,105.08) 53.2,105.25 53.2,105.37 arc(53.13,105.54) 52.96,105.61 52.89,105.61 arc(52.72,105.68) 52.65,105.85 52.65,105.97 arc(52.72,106.14) 52.89,106.21 52.96,106.21 arc(53.13,106.28) 53.2,106.45 53.2,106.57 arc(53.13,106.74) 52.96,106.81 52.89,106.81 arc(52.72,106.88) 52.65,107.05 52.65,107.17 arc(52.72,107.34) 52.89,107.41 52.96,107.41 arc(53.13,107.48) 53.2,107.65 53.2,108.15 53.66,108.61 arc(53.73,108.78) 53.66,108.95 53.61,109 arc(53.54,109.17) 53.61,109.34 53.7,109.42 arc(53.86,109.49) 54.03,109.42 54.08,109.38 arc(54.25,109.3) 54.42,109.38 54.51,109.46 60.75,115.7 60.75,117.77 J5#3.22
Board_0-/CON.SEL-: length 30.5
  Top w0.151: J1#2.78 53.2,103 arc(53.13,103.17) 52.96,103.24 52.88,103.24 arc(52.71,103.31) 52.64,103.48 52.64,103.6 arc(52.71,103.77) 52.88,103.84 52.96,103.84 arc(53.13,103.91) 53.2,104.08 53.2,104.2 arc(53.13,104.37) 52.96,104.44 52.88,104.44 arc(52.71,104.51) 52.64,104.68 52.64,104.8 arc(52.71,104.97) 52.88,105.04 52.96,105.04 arc(53.13,105.11) 53.2,105.28 53.2,105.4 arc(53.13,105.57) 52.96,105.64 52.88,105.64 arc(52.71,105.71) 52.64,105.88 52.64,106 arc(52.71,106.17) 52.88,106.24 52.96,106.24 arc(53.13,106.31) 53.2,106.48 53.2,106.6 arc(53.13,106.77) 52.96,106.84 52.88,106.84 arc(52.71,106.91) 52.64,107.08 52.64,107.2 arc(52.71,107.37) 52.88,107.44 52.96,107.44 arc(53.13,107.51) 53.2,107.68 53.2,108.15 53.66,108.61 arc(53.73,108.78) 53.66,108.95 53.6,109.01 arc(53.53,109.18) 53.6,109.35 53.69,109.43 arc(53.86,109.5) 54.03,109.43 54.08,109.38 arc(54.25,109.3) 54.42,109.38 54.51,109.46 arc(54.58,109.63) 54.51,109.8 54.45,109.86 arc(54.38,110.03) 54.45,110.2 54.54,110.28 arc(54.71,110.35) 54.88,110.28 54.93,110.22 arc(55.1,110.15) 55.27,110.22 55.36,110.31 arc(55.43,110.48) 55.36,110.65 55.3,110.71 arc(55.23,110.87) 55.3,111.04 55.38,111.13 arc(55.55,111.2) 55.72,111.13 55.78,111.07 arc(55.95,111) 56.12,111.07 60.76,115.71 60.76,122.06 J5#3.47
Board_0-/CON.TERMPWR:
  vias: v1(44.4,102) v1(44.4,101.2) v1(44.4,100.4) v1(44.4,97.6) v1(44.4,96.8) v1(44.4,96) v1(45.2,102) v1(45.2,101.2) v1(45.2,100.4) v1(45.2,97.6) v1(45.2,96.8) v1(45.2,96)
Board_0-/PHY.ID_SCL: length 22.5
  Top w0.2: U1#3.6 16.05,102.65 v1(16.9,103.5) 23.4,103.5 24.4,102.5 J1#2.6 ; J3#2.4 12.3,107.2 12.35,107.15 v1(12.7,107.15)
  Bottom w0.2: v1(16.9,103.5) 16.9,105.9 15.7,107.1 12.75,107.1 v1(12.7,107.15)
Board_0-/PHY.ID_SDA: length 23
  Top w0.2: J1#2.4 23.6,102.5 23.2,102.9 17,102.9 16.55,102.45 U1#3.5 ; v1(12.7,109.75) 10.01,109.75 J3#2.2
  Bottom w0.2: v1(12.7,109.75) 14.75,107.7 16,107.7 17.5,106.2 v1(17.5,102.9)
Board_0-GND:
  vias: v1(13.85,98.15) v1(15.25,99) v1(15.8,99.5) v1(15.8,98.5) v1(16.3,99) v1(22.8,102) v1(22.8,101.2) v1(22.8,100.4) v1(25.2,102) v1(25.2,101.2) v1(25.2,100.4) v1(25.2,98.2) v1(25.2,97.6) v1(25.2,96.8) v1(25.2,96) v1(26,102) v1(26,101.2) v1(26,100.4) v1(26,98.2) v1(26,97.6) v1(26,96.8) v1(26,96) v1(28.4,102) v1(28.4,101.2) v1(28.4,100.4) v1(28.4,98.2) v1(28.4,97.6) v1(28.4,96.8) v1(28.4,96) v1(30.8,102) v1(30.8,101.2) v1(30.8,100.4) v1(30.8,98.2) v1(30.8,97.6) v1(30.8,96.8) v1(30.8,96) v1(33.2,102) v1(33.2,101.2) v1(33.2,100.4) v1(33.2,98.2) v1(33.2,97.6) v1(33.2,96.8) v1(33.2,96) v1(35.6,102) v1(35.6,101.2) v1(35.6,100.4) v1(35.6,98.2) v1(35.6,97.6) v1(35.6,96.8) v1(35.6,96) v1(38,102) v1(38,101.2) v1(38,100.4) v1(38,98.2) v1(38,97.6) v1(38,96.8) v1(38,96) v1(40.4,102) v1(40.4,101.2) v1(40.4,100.4) v1(40.4,98.2) v1(40.4,97.6) v1(40.4,96.8) v1(40.4,96) v1(42.8,102) v1(42.8,101.2) v1(42.8,100.4) v1(42.8,98.2) v1(42.8,97.6) v1(42.8,96.8) v1(42.8,96) v1(46,102) v1(46,101.2) v1(46,100.4) v1(46,98.2) v1(46,97.6) v1(46,96.8) v1(46,96) v1(47.6,102) v1(47.6,101.2) v1(47.6,100.4) v1(47.6,98.2) v1(47.6,97.6) v1(47.6,96.8) v1(47.6,96) v1(50,102) v1(50,101.2) v1(50,100.4) v1(50,98.2) v1(50,97.6) v1(50,96.8) v1(50,96) v1(52.4,102) v1(52.4,101.2) v1(52.4,100.4) v1(52.4,98.2) v1(52.4,97.6) v1(52.4,96.8) v1(52.4,96) v1(54.8,102) v1(54.8,101.2) v1(54.8,100.4) v1(54.8,98.2) v1(54.8,97.6) v1(54.8,96.8) v1(54.8,96) v1(57.2,102) v1(57.2,101.2) v1(57.2,100.4) v1(57.2,98.2) v1(57.2,97.6) v1(57.2,96.8) v1(57.2,96) v1(59.6,102) v1(59.6,101.2) v1(59.6,100.4) v1(59.6,98.2) v1(59.6,97.6) v1(59.6,96.8) v1(59.6,96) v1(62,102) v1(62,101.2) v1(62,100.4) v1(62,98.2) v1(62,97.6) v1(62,96.8) v1(62,96)
